# KiCad board SparkFun_GNSS_LG580P_panelized.kicad_pcb (continued)
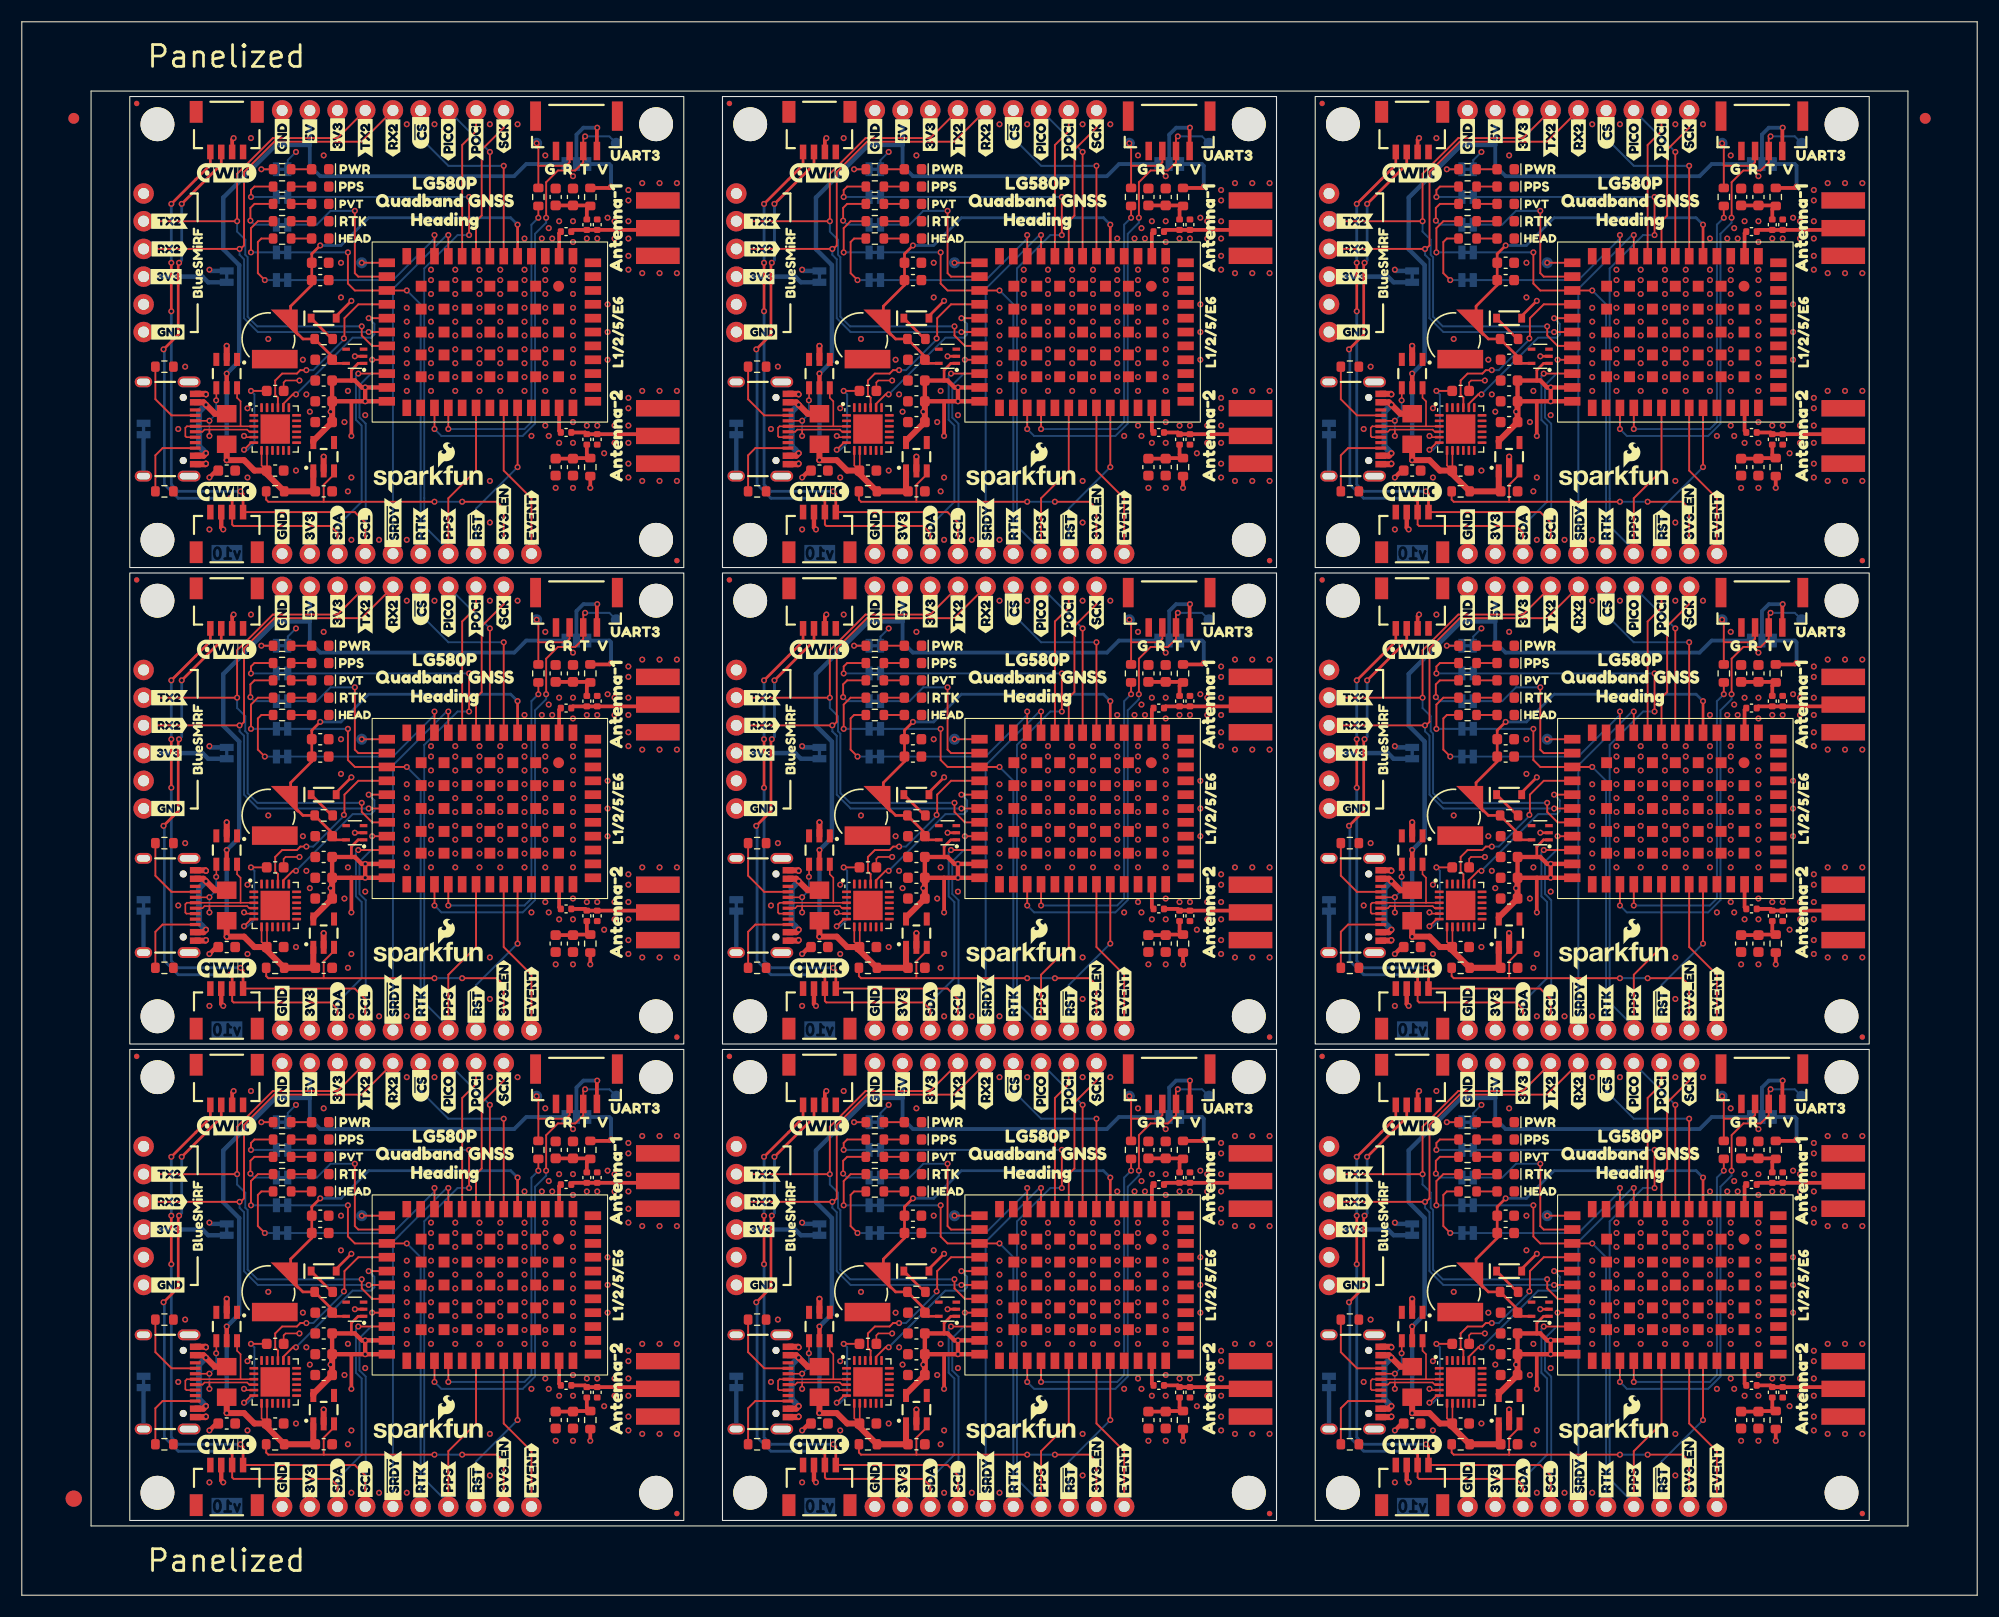
[diagram p0: board, top side]
## Placement (name value [footprint] x y rotation side) (continued)
kibuzzard-6797D214#6  G***  [kibuzzard-6797D214]  39.11 89.74 270 bottom
kibuzzard-6797D214#7  G***  [kibuzzard-6797D214]  39.11 133.42 270 bottom
kibuzzard-6797D214#8  G***  [kibuzzard-6797D214]  147.8 133.42 270 bottom
kibuzzard-6797D214#9  G***  [kibuzzard-6797D214]  39.11 46.06 270 bottom
kibuzzard-6797D229  G***  [kibuzzard-6797D229]  44.19 46.54 270 bottom
kibuzzard-6797D229#2  G***  [kibuzzard-6797D229]  44.19 133.9 270 bottom
kibuzzard-6797D229#3  G***  [kibuzzard-6797D229]  98.54 133.9 270 bottom
kibuzzard-6797D229#4  G***  [kibuzzard-6797D229]  98.54 90.22 270 bottom
kibuzzard-6797D229#5  G***  [kibuzzard-6797D229]  152.88 46.54 270 bottom
kibuzzard-6797D229#6  G***  [kibuzzard-6797D229]  98.54 46.54 270 bottom
kibuzzard-6797D229#7  G***  [kibuzzard-6797D229]  44.19 90.22 270 bottom
kibuzzard-6797D229#8  G***  [kibuzzard-6797D229]  152.88 90.22 270 bottom
kibuzzard-6797D229#9  G***  [kibuzzard-6797D229]  152.88 133.9 270 bottom
kibuzzard-6797D243  G***  [kibuzzard-6797D243]  150.34 46.06 90 top
kibuzzard-6797D243#2  G***  [kibuzzard-6797D243]  41.65 133.42 90 top
kibuzzard-6797D243#3  G***  [kibuzzard-6797D243]  96 46.06 90 top
kibuzzard-6797D243#4  G***  [kibuzzard-6797D243]  96 89.74 90 top
kibuzzard-6797D243#5  G***  [kibuzzard-6797D243]  96 133.42 90 top
kibuzzard-6797D243#6  G***  [kibuzzard-6797D243]  150.34 89.74 90 top
kibuzzard-6797D243#7  G***  [kibuzzard-6797D243]  41.65 89.74 90 top
kibuzzard-6797D243#8  G***  [kibuzzard-6797D243]  150.34 133.42 90 top
kibuzzard-6797D243#9  G***  [kibuzzard-6797D243]  41.65 46.06 90 top
kibuzzard-6797EDFE  G***  [kibuzzard-6797EDFE]  31.17 79.74 180 bottom
kibuzzard-6797EDFE#2  G***  [kibuzzard-6797EDFE]  31.17 123.42 180 bottom
kibuzzard-6797EDFE#3  G***  [kibuzzard-6797EDFE]  85.52 79.74 180 bottom
kibuzzard-6797EDFE#4  G***  [kibuzzard-6797EDFE]  139.87 79.74 180 bottom
kibuzzard-6797EDFE#5  G***  [kibuzzard-6797EDFE]  85.52 123.42 180 bottom
kibuzzard-6797EDFE#6  G***  [kibuzzard-6797EDFE]  139.87 36.06 180 bottom
kibuzzard-6797EDFE#7  G***  [kibuzzard-6797EDFE]  139.87 123.42 180 bottom
kibuzzard-6797EDFE#8  G***  [kibuzzard-6797EDFE]  85.52 36.06 180 bottom
kibuzzard-6797EDFE#9  G***  [kibuzzard-6797EDFE]  31.17 36.06 180 bottom
kibuzzard-6797F4C5  G***  [kibuzzard-6797F4C5]  37.52 25.27 180 bottom
kibuzzard-6797F4C5#2  G***  [kibuzzard-6797F4C5]  91.87 25.27 180 bottom
kibuzzard-6797F4C5#3  G***  [kibuzzard-6797F4C5]  91.87 68.94 180 bottom
kibuzzard-6797F4C5#4  G***  [kibuzzard-6797F4C5]  146.22 25.27 180 bottom
kibuzzard-6797F4C5#5  G***  [kibuzzard-6797F4C5]  146.22 112.62 180 bottom
kibuzzard-6797F4C5#6  G***  [kibuzzard-6797F4C5]  146.22 68.94 180 bottom
kibuzzard-6797F4C5#7  G***  [kibuzzard-6797F4C5]  37.52 68.94 180 bottom
kibuzzard-6797F4C5#8  G***  [kibuzzard-6797F4C5]  37.52 112.62 180 bottom
kibuzzard-6797F4C5#9  G***  [kibuzzard-6797F4C5]  91.87 112.62 180 bottom
kibuzzard-6797F4CD  G***  [kibuzzard-6797F4CD]  37.2 109.45 180 bottom
kibuzzard-6797F4CD#2  G***  [kibuzzard-6797F4CD]  91.55 109.45 180 bottom
kibuzzard-6797F4CD#3  G***  [kibuzzard-6797F4CD]  37.2 65.77 180 bottom
kibuzzard-6797F4CD#4  G***  [kibuzzard-6797F4CD]  91.55 22.09 180 bottom
kibuzzard-6797F4CD#5  G***  [kibuzzard-6797F4CD]  91.55 65.77 180 bottom
kibuzzard-6797F4CD#6  G***  [kibuzzard-6797F4CD]  145.9 109.45 180 bottom
kibuzzard-6797F4CD#7  G***  [kibuzzard-6797F4CD]  145.9 65.77 180 bottom
kibuzzard-6797F4CD#8  G***  [kibuzzard-6797F4CD]  145.9 22.09 180 bottom
kibuzzard-6797F4CD#9  G***  [kibuzzard-6797F4CD]  37.2 22.09 180 bottom
L1  68nH  [C_0402_1005Metric]  51.81 38.28 270 top
L1#2  68nH  [C_0402_1005Metric]  51.81 125.64 270 top
L1#3  68nH  [C_0402_1005Metric]  51.81 81.96 270 top
L1#4  68nH  [C_0402_1005Metric]  106.16 81.96 270 top
L1#5  68nH  [C_0402_1005Metric]  106.16 125.64 270 top
L1#6  68nH  [C_0402_1005Metric]  160.5 38.28 270 top
L1#7  68nH  [C_0402_1005Metric]  106.16 38.28 270 top
L1#8  68nH  [C_0402_1005Metric]  160.5 81.96 270 top
L1#9  68nH  [C_0402_1005Metric]  160.5 125.64 270 top
L2  68nH  [C_0402_1005Metric]  51.81 105.96 90 top
L2#2  68nH  [C_0402_1005Metric]  106.16 62.28 90 top
L2#3  68nH  [C_0402_1005Metric]  51.81 62.28 90 top
L2#4  68nH  [C_0402_1005Metric]  106.16 18.6 90 top
L2#5  68nH  [C_0402_1005Metric]  160.5 18.6 90 top
L2#6  68nH  [C_0402_1005Metric]  160.5 62.28 90 top
L2#7  68nH  [C_0402_1005Metric]  160.5 105.96 90 top
L2#8  68nH  [C_0402_1005Metric]  106.16 105.96 90 top
L2#9  68nH  [C_0402_1005Metric]  51.81 18.6 90 top
NOREF  -  [Fiducial_1.5mm_Mask3mm]  4.76 8.85 0 top
NOREF#2  -  [Fiducial_1mm_Mask3mm]  174.53 135.39 0 top
NOREF#3  -  [Fiducial_1mm_Mask3mm]  4.76 135.39 0 top
NOREF#4  -  [Fiducial_1mm_Mask3mm]  4.76 135.39 0 bottom
NOREF#5  -  [Fiducial_1.5mm_Mask3mm]  4.76 8.85 0 bottom
NOREF#6  -  [Fiducial_1mm_Mask3mm]  174.53 135.39 0 bottom
R1  5.1k  [R_0603_1608Metric]  67.42 101.2 180 top
R1#2  5.1k  [R_0603_1608Metric]  13.07 57.52 180 top
R1#3  5.1k  [R_0603_1608Metric]  67.42 13.84 180 top
R1#4  5.1k  [R_0603_1608Metric]  67.42 57.52 180 top
R1#5  5.1k  [R_0603_1608Metric]  13.07 101.2 180 top
R1#6  5.1k  [R_0603_1608Metric]  121.77 57.52 180 top
R1#7  5.1k  [R_0603_1608Metric]  121.77 13.84 180 top
R1#8  5.1k  [R_0603_1608Metric]  121.77 101.2 180 top
R1#9  5.1k  [R_0603_1608Metric]  13.07 13.84 180 top
R2  5.1k  [R_0603_1608Metric]  13.07 68.94 180 top
R2#2  5.1k  [R_0603_1608Metric]  13.07 112.62 180 top
R2#3  5.1k  [R_0603_1608Metric]  67.42 112.62 180 top
R2#4  5.1k  [R_0603_1608Metric]  121.77 25.27 180 top
R2#5  5.1k  [R_0603_1608Metric]  67.42 25.27 180 top
R2#6  5.1k  [R_0603_1608Metric]  67.42 68.94 180 top
R2#7  5.1k  [R_0603_1608Metric]  121.77 112.62 180 top
R2#8  5.1k  [R_0603_1608Metric]  121.77 68.94 180 top
R2#9  5.1k  [R_0603_1608Metric]  13.07 25.27 180 top
R3  1k  [R_0603_1608Metric]  132.56 82.28 180 top
R3#2  1k  [R_0603_1608Metric]  23.87 125.96 180 top
R3#3  1k  [R_0603_1608Metric]  78.22 82.28 180 top
R3#4  1k  [R_0603_1608Metric]  132.56 125.96 180 top
R3#5  1k  [R_0603_1608Metric]  78.22 38.6 180 top
R3#6  1k  [R_0603_1608Metric]  23.87 82.28 180 top
R3#7  1k  [R_0603_1608Metric]  132.56 38.6 180 top
R3#8  1k  [R_0603_1608Metric]  78.22 125.96 180 top
R3#9  1k  [R_0603_1608Metric]  23.87 38.6 180 top
R4  4.7k  [R_0603_1608Metric]  78.22 87.04 180 top
R4#2  4.7k  [R_0603_1608Metric]  23.87 87.04 180 top
R4#3  4.7k  [R_0603_1608Metric]  23.87 130.72 180 top
R4#4  4.7k  [R_0603_1608Metric]  78.22 43.36 180 top
R4#5  4.7k  [R_0603_1608Metric]  78.22 130.72 180 top
R4#6  4.7k  [R_0603_1608Metric]  132.56 43.36 180 top
R4#7  4.7k  [R_0603_1608Metric]  132.56 130.72 180 top
R4#8  4.7k  [R_0603_1608Metric]  132.56 87.04 180 top
R4#9  4.7k  [R_0603_1608Metric]  23.87 43.36 180 top
R5  2.2k  [R_0603_1608Metric]  23.87 85.46 180 top
R5#2  2.2k  [R_0603_1608Metric]  78.22 129.13 180 top
R5#3  2.2k  [R_0603_1608Metric]  132.56 41.78 180 top
R5#4  2.2k  [R_0603_1608Metric]  78.22 85.46 180 top
R5#5  2.2k  [R_0603_1608Metric]  23.87 129.13 180 top
R5#6  2.2k  [R_0603_1608Metric]  78.22 41.78 180 top
R5#7  2.2k  [R_0603_1608Metric]  132.56 129.13 180 top
R5#8  2.2k  [R_0603_1608Metric]  132.56 85.46 180 top
R5#9  2.2k  [R_0603_1608Metric]  23.87 41.78 180 top
R6  10  [R_0603_1608Metric]  52.13 40.82 90 top
R6#2  10  [R_0603_1608Metric]  160.82 128.18 90 top
R6#3  10  [R_0603_1608Metric]  52.13 84.5 90 top
R6#4  10  [R_0603_1608Metric]  106.47 40.82 90 top
R6#5  10  [R_0603_1608Metric]  52.13 128.18 90 top
R6#6  10  [R_0603_1608Metric]  160.82 40.82 90 top
R6#7  10  [R_0603_1608Metric]  160.82 84.5 90 top
R6#8  10  [R_0603_1608Metric]  106.47 84.5 90 top
R6#9  10  [R_0603_1608Metric]  106.47 128.18 90 top
R7  1k  [R_0603_1608Metric]  27.68 27.81 0 top
R7#2  1k  [R_0603_1608Metric]  27.68 115.17 0 top
R7#3  1k  [R_0603_1608Metric]  82.03 27.81 0 top
R7#4  1k  [R_0603_1608Metric]  82.03 71.48 0 top
R7#5  1k  [R_0603_1608Metric]  136.37 27.81 0 top
R7#6  1k  [R_0603_1608Metric]  136.37 71.48 0 top
R7#7  1k  [R_0603_1608Metric]  82.03 115.17 0 top
R7#8  1k  [R_0603_1608Metric]  136.37 115.17 0 top
R7#9  1k  [R_0603_1608Metric]  27.68 71.48 0 top
R8  1k  [R_0603_1608Metric]  101.71 84.5 270 top
R8#2  1k  [R_0603_1608Metric]  47.36 128.18 270 top
R8#3  1k  [R_0603_1608Metric]  47.36 84.5 270 top
R8#4  1k  [R_0603_1608Metric]  156.06 128.18 270 top
R8#5  1k  [R_0603_1608Metric]  101.71 40.82 270 top
R8#6  1k  [R_0603_1608Metric]  101.71 128.18 270 top
R8#7  1k  [R_0603_1608Metric]  156.06 40.82 270 top
R8#8  1k  [R_0603_1608Metric]  156.06 84.5 270 top
R8#9  1k  [R_0603_1608Metric]  47.36 40.82 270 top
R9  100k  [R_0603_1608Metric]  23.23 13.84 0 top
R9#2  100k  [R_0603_1608Metric]  23.23 101.2 0 top
R9#3  100k  [R_0603_1608Metric]  77.58 57.52 0 top
R9#4  100k  [R_0603_1608Metric]  23.23 57.52 0 top
R9#5  100k  [R_0603_1608Metric]  77.58 13.84 0 top
R9#6  100k  [R_0603_1608Metric]  131.93 13.84 0 top
R9#7  100k  [R_0603_1608Metric]  131.93 57.52 0 top
R9#8  100k  [R_0603_1608Metric]  131.93 101.2 0 top
R9#9  100k  [R_0603_1608Metric]  77.58 101.2 0 top
R10  330  [R_0603_1608Metric]  78.22 80.69 180 top
R10#2  330  [R_0603_1608Metric]  23.87 80.69 180 top
R10#3  330  [R_0603_1608Metric]  23.87 124.37 180 top
R10#4  330  [R_0603_1608Metric]  78.22 37.01 180 top
R10#5  330  [R_0603_1608Metric]  132.56 37.01 180 top
R10#6  330  [R_0603_1608Metric]  132.56 80.69 180 top
R10#7  330  [R_0603_1608Metric]  78.22 124.37 180 top
R10#8  330  [R_0603_1608Metric]  132.56 124.37 180 top
R10#9  330  [R_0603_1608Metric]  23.87 37.01 180 top
R11  2.2k  [R_0603_1608Metric]  78.22 40.19 180 top
R11#2  2.2k  [R_0603_1608Metric]  23.87 127.55 180 top
R11#3  2.2k  [R_0603_1608Metric]  23.87 83.87 180 top
R11#4  2.2k  [R_0603_1608Metric]  132.56 40.19 180 top
R11#5  2.2k  [R_0603_1608Metric]  78.22 83.87 180 top
R11#6  2.2k  [R_0603_1608Metric]  78.22 127.55 180 top
R11#7  2.2k  [R_0603_1608Metric]  132.56 83.87 180 top
R11#8  2.2k  [R_0603_1608Metric]  132.56 127.55 180 top
R11#9  2.2k  [R_0603_1608Metric]  23.87 40.19 180 top
R12  10  [R_0603_1608Metric]  52.13 103.42 270 top
R12#2  10  [R_0603_1608Metric]  160.82 16.06 270 top
R12#3  10  [R_0603_1608Metric]  106.47 59.74 270 top
R12#4  10  [R_0603_1608Metric]  106.47 103.42 270 top
R12#5  10  [R_0603_1608Metric]  52.13 59.74 270 top
R12#6  10  [R_0603_1608Metric]  106.47 16.06 270 top
R12#7  10  [R_0603_1608Metric]  160.82 59.74 270 top
R12#8  10  [R_0603_1608Metric]  160.82 103.42 270 top
R12#9  10  [R_0603_1608Metric]  52.13 16.06 270 top
Ref**  Val**  [OSHW_Logo_4mm]  18.79 134.3 180 bottom
Ref**#2  Val**  [OSHW_Logo_4mm]  73.14 134.3 180 bottom
Ref**#3  Val**  [OSHW_Logo_4mm]  18.79 90.62 180 bottom
Ref**#4  Val**  [OSHW_Logo_4mm]  127.48 90.62 180 bottom
Ref**#5  Val**  [OSHW_Logo_4mm]  127.48 134.3 180 bottom
Ref**#6  Val**  [OSHW_Logo_4mm]  73.14 46.94 180 bottom
Ref**#7  Val**  [OSHW_Logo_4mm]  73.14 90.62 180 bottom
Ref**#8  Val**  [OSHW_Logo_4mm]  127.48 46.94 180 bottom
Ref**#9  Val**  [OSHW_Logo_4mm]  18.79 46.94 180 bottom
ST1  -  [Standoff]  58.16 91.17 0 top
ST1#2  -  [Standoff]  112.51 91.17 0 top
ST1#3  -  [Standoff]  58.16 134.85 0 top
ST1#4  -  [Standoff]  112.51 47.49 0 top
ST1#5  -  [Standoff]  166.85 134.85 0 top
ST1#6  -  [Standoff]  112.51 134.85 0 top
ST1#7  -  [Standoff]  166.85 91.17 0 top
ST1#8  -  [Standoff]  166.85 47.49 0 top
ST1#9  -  [Standoff]  58.16 47.49 0 top
ST2  -  [Standoff]  58.16 96.75 0 top
ST2#2  -  [Standoff]  112.51 53.07 0 top
ST2#3  -  [Standoff]  166.85 9.39 0 top
ST2#4  -  [Standoff]  166.85 96.75 0 top
ST2#5  -  [Standoff]  58.16 53.07 0 top
ST2#6  -  [Standoff]  166.85 53.07 0 top
ST2#7  -  [Standoff]  112.51 9.39 0 top
ST2#8  -  [Standoff]  112.51 96.75 0 top
ST2#9  -  [Standoff]  58.16 9.39 0 top
ST3  -  [Standoff]  12.44 47.49 0 top
ST3#2  -  [Standoff]  66.79 91.17 0 top
ST3#3  -  [Standoff]  12.44 91.17 0 top
ST3#4  -  [Standoff]  121.13 91.17 0 top
ST3#5  -  [Standoff]  12.44 134.85 0 top
ST3#6  -  [Standoff]  66.79 47.49 0 top
ST3#7  -  [Standoff]  66.79 134.85 0 top
ST3#8  -  [Standoff]  121.13 47.49 0 top
ST3#9  -  [Standoff]  121.13 134.85 0 top
ST4  -  [Standoff]  12.44 9.39 0 top
ST4#2  -  [Standoff]  12.44 53.07 0 top
ST4#3  -  [Standoff]  121.13 9.39 0 top
ST4#4  -  [Standoff]  66.79 9.39 0 top
ST4#5  -  [Standoff]  12.44 96.75 0 top
ST4#6  -  [Standoff]  66.79 96.75 0 top
ST4#7  -  [Standoff]  66.79 53.07 0 top
ST4#8  -  [Standoff]  121.13 96.75 0 top
ST4#9  -  [Standoff]  121.13 53.07 0 top
TP1  1.0mm  [TestPoint-1.0mm]  31.17 78.47 180 bottom
TP1#2  1.0mm  [TestPoint-1.0mm]  139.87 34.79 180 bottom
TP1#3  1.0mm  [TestPoint-1.0mm]  139.87 78.47 180 bottom
TP1#4  1.0mm  [TestPoint-1.0mm]  85.52 34.79 180 bottom
TP1#5  1.0mm  [TestPoint-1.0mm]  31.17 122.15 180 bottom
TP1#6  1.0mm  [TestPoint-1.0mm]  85.52 78.47 180 bottom
TP1#7  1.0mm  [TestPoint-1.0mm]  85.52 122.15 180 bottom
TP1#8  1.0mm  [TestPoint-1.0mm]  139.87 122.15 180 bottom
TP1#9  1.0mm  [TestPoint-1.0mm]  31.17 34.79 180 bottom
TP2  1.0mm  [TestPoint-1.0mm]  47.2 89.42 180 bottom
TP2#2  1.0mm  [TestPoint-1.0mm]  101.55 89.42 180 bottom
TP2#3  1.0mm  [TestPoint-1.0mm]  47.2 133.1 180 bottom
TP2#4  1.0mm  [TestPoint-1.0mm]  101.55 133.1 180 bottom
TP2#5  1.0mm  [TestPoint-1.0mm]  101.55 45.74 180 bottom
TP2#6  1.0mm  [TestPoint-1.0mm]  155.9 45.74 180 bottom
TP2#7  1.0mm  [TestPoint-1.0mm]  155.9 89.42 180 bottom
TP2#8  1.0mm  [TestPoint-1.0mm]  155.9 133.1 180 bottom
TP2#9  1.0mm  [TestPoint-1.0mm]  47.2 45.74 180 bottom
TP3  1.0mm  [TestPoint-1.0mm]  108.85 89.42 90 bottom
TP3#2  1.0mm  [TestPoint-1.0mm]  54.51 89.42 90 bottom
TP3#3  1.0mm  [TestPoint-1.0mm]  54.51 133.1 90 bottom
TP3#4  1.0mm  [TestPoint-1.0mm]  108.85 45.74 90 bottom
TP3#5  1.0mm  [TestPoint-1.0mm]  163.2 133.1 90 bottom
TP3#6  1.0mm  [TestPoint-1.0mm]  108.85 133.1 90 bottom
TP3#7  1.0mm  [TestPoint-1.0mm]  163.2 89.42 90 bottom
TP3#8  1.0mm  [TestPoint-1.0mm]  163.2 45.74 90 bottom
TP3#9  1.0mm  [TestPoint-1.0mm]  54.51 45.74 90 bottom
U1  DT1042-04SO  [SOT23-6]  18.79 111.99 270 top
U1#2  DT1042-04SO  [SOT23-6]  18.79 68.31 270 top
U1#3  DT1042-04SO  [SOT23-6]  127.48 68.31 270 top
U1#4  DT1042-04SO  [SOT23-6]  127.48 111.99 270 top
U1#5  DT1042-04SO  [SOT23-6]  73.14 24.63 270 top
U1#6  DT1042-04SO  [SOT23-6]  73.14 68.31 270 top
U1#7  DT1042-04SO  [SOT23-6]  73.14 111.99 270 top
U1#8  DT1042-04SO  [SOT23-6]  127.48 24.63 270 top
U1#9  DT1042-04SO  [SOT23-6]  18.79 24.63 270 top
U2  RT9080-3.3  [SOT23-5]  82.03 104.37 90 top
U2#2  RT9080-3.3  [SOT23-5]  27.68 104.37 90 top
U2#3  RT9080-3.3  [SOT23-5]  136.37 17.01 90 top
U2#4  RT9080-3.3  [SOT23-5]  27.68 60.69 90 top
U2#5  RT9080-3.3  [SOT23-5]  82.03 60.69 90 top
U2#6  RT9080-3.3  [SOT23-5]  82.03 17.01 90 top
U2#7  RT9080-3.3  [SOT23-5]  136.37 104.37 90 top
U2#8  RT9080-3.3  [SOT23-5]  136.37 60.69 90 top
U2#9  RT9080-3.3  [SOT23-5]  27.68 17.01 90 top
U3  LG580P  [Quectel_LG580P]  97.27 28.44 270 top
U3#2  LG580P  [Quectel_LG580P]  151.61 115.8 270 top
U3#3  LG580P  [Quectel_LG580P]  42.92 115.8 270 top
U3#4  LG580P  [Quectel_LG580P]  42.92 72.12 270 top
U3#5  LG580P  [Quectel_LG580P]  97.27 72.12 270 top
U3#6  LG580P  [Quectel_LG580P]  151.61 72.12 270 top
U3#7  LG580P  [Quectel_LG580P]  97.27 115.8 270 top
U3#8  LG580P  [Quectel_LG580P]  151.61 28.44 270 top
U3#9  LG580P  [Quectel_LG580P]  42.92 28.44 270 top
U4  CH342F  [QFN-24-1EP_4x4mm_P0.5mm_EP2.7x2.7mm]  77.58 19.55 0 top
U4#2  CH342F  [QFN-24-1EP_4x4mm_P0.5mm_EP2.7x2.7mm]  23.23 63.23 0 top
U4#3  CH342F  [QFN-24-1EP_4x4mm_P0.5mm_EP2.7x2.7mm]  77.58 106.91 0 top
U4#4  CH342F  [QFN-24-1EP_4x4mm_P0.5mm_EP2.7x2.7mm]  23.23 106.91 0 top
U4#5  CH342F  [QFN-24-1EP_4x4mm_P0.5mm_EP2.7x2.7mm]  77.58 63.23 0 top
U4#6  CH342F  [QFN-24-1EP_4x4mm_P0.5mm_EP2.7x2.7mm]  131.93 63.23 0 top
U4#7  CH342F  [QFN-24-1EP_4x4mm_P0.5mm_EP2.7x2.7mm]  131.93 19.55 0 top
U4#8  CH342F  [QFN-24-1EP_4x4mm_P0.5mm_EP2.7x2.7mm]  131.93 106.91 0 top
U4#9  CH342F  [QFN-24-1EP_4x4mm_P0.5mm_EP2.7x2.7mm]  23.23 19.55 0 top

## Library data of the parts
BT1 BT1#2-BT1#9 = -: Description: Reflowable coin cell battery; PROD_ID: BATT-14267
C1 C3 C5#9 = -: Datasheet: https://cdn.sparkfun.com/assets/8/a/4/a/5/Kemet_Capacitor_Datasheet.pdf; Description: Unpolarized capacitor; PROD_ID: CAP-00810; Tolerance: 20%; Voltage: 25V; ki_fp_filters: C_*
C1#2-C1#9 C3#2-C3#9 C5 C5#2-C5#8 = -: Datasheet: https://cdn.sparkfun.com/assets/8/a/4/a/5/Kemet_Capacitor_Datasheet.pdf; Description: Unpolarized capacitor; PROD_ID: CAP-00810; Tolerance: 20%; Voltage: 25V
C2 C2#2-C2#8 = -: Datasheet: https://cdn.sparkfun.com/assets/8/a/4/a/5/Kemet_Capacitor_Datasheet.pdf; Description: Unpolarized capacitor; PROD_ID: CAP-11015; Tolerance: 20%; Voltage: 6.3V
C2#9 = -: Datasheet: https://cdn.sparkfun.com/assets/8/a/4/a/5/Kemet_Capacitor_Datasheet.pdf; Description: Unpolarized capacitor; PROD_ID: CAP-11015; Tolerance: 20%; Voltage: 6.3V; ki_fp_filters: C_*
C4 C4#2-C4#8 = -: Datasheet: https://cdn.sparkfun.com/assets/8/a/4/a/5/Kemet_Capacitor_Datasheet.pdf; Description: Unpolarized capacitor; PROD_ID: CAP-07883; Tolerance: 10%; Voltage: 50V
C4#9 = -: Datasheet: https://cdn.sparkfun.com/assets/8/a/4/a/5/Kemet_Capacitor_Datasheet.pdf; Description: Unpolarized capacitor; PROD_ID: CAP-07883; Tolerance: 10%; Voltage: 50V; ki_fp_filters: C_*
C6 C6#2-C6#8 = -: Datasheet: https://cdn.sparkfun.com/assets/8/a/4/a/5/Kemet_Capacitor_Datasheet.pdf; Description: Unpolarized capacitor; PROD_ID: CAP-13458; Tolerance: 10%; Voltage: 50V
C6#9 = -: Datasheet: https://cdn.sparkfun.com/assets/8/a/4/a/5/Kemet_Capacitor_Datasheet.pdf; Description: Unpolarized capacitor; PROD_ID: CAP-13458; Tolerance: 10%; Voltage: 50V; ki_fp_filters: C_*
C7 C7#2-C7#8 = -: Datasheet: https://cdn.sparkfun.com/assets/8/a/4/a/5/Kemet_Capacitor_Datasheet.pdf; Description: Unpolarized capacitor; PROD_ID: CAP-13930; Voltage: 16V; Tolerance: 10%
C7#9 = -: Datasheet: https://cdn.sparkfun.com/assets/8/a/4/a/5/Kemet_Capacitor_Datasheet.pdf; Description: Unpolarized capacitor; PROD_ID: CAP-13930; Voltage: 16V; Tolerance: 10%; ki_fp_filters: C_*
C8 C8#2-C8#8 = -: Datasheet: https://cdn.sparkfun.com/assets/8/a/4/a/5/Kemet_Capacitor_Datasheet.pdf; Description: Unpolarized capacitor; PROD_ID: CAP-10142; Tolerance: 5%; Voltage: 50V
C8#9 = -: Datasheet: https://cdn.sparkfun.com/assets/8/a/4/a/5/Kemet_Capacitor_Datasheet.pdf; Description: Unpolarized capacitor; PROD_ID: CAP-10142; Tolerance: 5%; Voltage: 50V; ki_fp_filters: C_*
C9 C9#2-C9#8 = -: Datasheet: https://cdn.sparkfun.com/assets/8/a/4/a/5/Kemet_Capacitor_Datasheet.pdf; Description: Unpolarized capacitor; PROD_ID: CAP-14106; Voltage: 35V; Tolerance: 20%
C9#9 = -: Datasheet: https://cdn.sparkfun.com/assets/8/a/4/a/5/Kemet_Capacitor_Datasheet.pdf; Description: Unpolarized capacitor; PROD_ID: CAP-14106; Voltage: 35V; Tolerance: 20%; ki_fp_filters: C_*
C10 C10#2-C10#8 C11 C11#2-C11#8 C14 C14#2-C14#8 = -: Datasheet: https://cdn.sparkfun.com/assets/8/a/4/a/5/Kemet_Capacitor_Datasheet.pdf; Description: Unpolarized capacitor; PROD_ID: CAP-00810; Voltage: 25V; Tolerance: 20%
C10#9 C11#9 C14#9 = -: Datasheet: https://cdn.sparkfun.com/assets/8/a/4/a/5/Kemet_Capacitor_Datasheet.pdf; Description: Unpolarized capacitor; PROD_ID: CAP-00810; Voltage: 25V; Tolerance: 20%; ki_fp_filters: C_*
C12 C12#2-C12#8 = -: Datasheet: https://cdn.sparkfun.com/assets/8/a/4/a/5/Kemet_Capacitor_Datasheet.pdf; Description: Unpolarized capacitor; PROD_ID: CAP-10142; Voltage: 50V; Tolerance: 5%
C12#9 = -: Datasheet: https://cdn.sparkfun.com/assets/8/a/4/a/5/Kemet_Capacitor_Datasheet.pdf; Description: Unpolarized capacitor; PROD_ID: CAP-10142; Voltage: 50V; Tolerance: 5%; ki_fp_filters: C_*
C13 = -: Datasheet: https://cdn.sparkfun.com/assets/8/a/4/a/5/Kemet_Capacitor_Datasheet.pdf; Description: Unpolarized capacitor; PROD_ID: CAP-13930; Tolerance: 10%; Voltage: 16V; ki_fp_filters: C_*
C13#2-C13#9 = -: Datasheet: https://cdn.sparkfun.com/assets/8/a/4/a/5/Kemet_Capacitor_Datasheet.pdf; Description: Unpolarized capacitor; PROD_ID: CAP-13930; Tolerance: 10%; Voltage: 16V
C15 C15#2-C15#8 = -: Datasheet: https://cdn.sparkfun.com/assets/8/a/4/a/5/Kemet_Capacitor_Datasheet.pdf; Description: Unpolarized capacitor; PROD_ID: CAP-07883; Voltage: 50V; Tolerance: 10%
C15#9 = -: Datasheet: https://cdn.sparkfun.com/assets/8/a/4/a/5/Kemet_Capacitor_Datasheet.pdf; Description: Unpolarized capacitor; PROD_ID: CAP-07883; Voltage: 50V; Tolerance: 10%; ki_fp_filters: C_*
C16 C16#2-C16#8 = -: Datasheet: https://cdn.sparkfun.com/assets/8/a/4/a/5/Kemet_Capacitor_Datasheet.pdf; Description: Unpolarized capacitor; PROD_ID: CAP-13458; Voltage: 50V; Tolerance: 10%
C16#9 = -: Datasheet: https://cdn.sparkfun.com/assets/8/a/4/a/5/Kemet_Capacitor_Datasheet.pdf; Description: Unpolarized capacitor; PROD_ID: CAP-13458; Voltage: 50V; Tolerance: 10%; ki_fp_filters: C_*
D1 D1#2-D1#8 = -: Datasheet: https://docs.broadcom.com/docs/AV02-0551EN; Description: Light emitting diode; PROD_ID: DIO-17976
D1#9 = -: Datasheet: https://docs.broadcom.com/docs/AV02-0551EN; Description: Light emitting diode; PROD_ID: DIO-17976; ki_fp_filters: LED* LED_SMD:* LED_THT:*
D2 D2#2-D2#8 = -: Datasheet: https://www.qt-brightek.com/datasheet/QBLP601_series.pdf; Description: Light emitting diode; PROD_ID: DIO-09004
D2#9 = -: Datasheet: https://www.qt-brightek.com/datasheet/QBLP601_series.pdf; Description: Light emitting diode; PROD_ID: DIO-09004; ki_fp_filters: LED* LED_SMD:* LED_THT:*
D3 D3#2-D3#8 D10 D10#2-D10#8 = -: Datasheet: https://www.littelfuse.com/~/media/electronics/product_specifications/polymer_esd_suppressors/littelfuse_polymer_esd_suppressor_pesd0402_140_product_specification.pdf.pdf; Description: Bidirectional transient-voltage-suppression diode; PROD_ID: DIO-15359
D3#9 D10#9 = -: Datasheet: https://www.littelfuse.com/~/media/electronics/product_specifications/polymer_esd_suppressors/littelfuse_polymer_esd_suppressor_pesd0402_140_product_specification.pdf.pdf; Description: Bidirectional transient-voltage-suppression diode; PROD_ID: DIO-15359; ki_fp_filters: TO-???* *_Diode_* *SingleDiode* D_*
D4 D4#2-D4#8 = -: Datasheet: https://www.kingbrightusa.com/images/catalog/SPEC/APT1608SYCK.pdf; Description: Light emitting diode; PROD_ID: DIO-09003
D4#9 = -: Datasheet: https://www.kingbrightusa.com/images/catalog/SPEC/APT1608SYCK.pdf; Description: Light emitting diode; PROD_ID: DIO-09003; ki_fp_filters: LED* LED_SMD:* LED_THT:*
D5 D5#2-D5#8 = -: Datasheet: https://assets.nexperia.com/documents/data-sheet/PMEG4005EJ.pdf; Description: Schottky diode; PROD_ID: DIO-10955; IMax: 0.5A; VDrop: 0.42V; VMax: 40V
D5#9 = -: Datasheet: https://assets.nexperia.com/documents/data-sheet/PMEG4005EJ.pdf; Description: Schottky diode; PROD_ID: DIO-10955; IMax: 0.5A; VDrop: 0.42V; VMax: 40V; ki_fp_filters: TO-???* *_Diode_* *SingleDiode* D_*
D8 D8#2-D8#8 = -: Datasheet: https://docs.broadcom.com/docs/AV02-0551EN; Description: Light emitting diode; PROD_ID: DIO-00821
D8#9 = -: Datasheet: https://docs.broadcom.com/docs/AV02-0551EN; Description: Light emitting diode; PROD_ID: DIO-00821; ki_fp_filters: LED* LED_SMD:* LED_THT:*
D9 = -: Datasheet: https://media.digikey.com/pdf/Data%20Sheets/Rohm%20PDFs/SMLE12_Series_Rev2.0_2007.pdf; Description: Light emitting diode; PROD_ID: DIO-08575; ki_fp_filters: LED* LED_SMD:* LED_THT:*
D9#2-D9#9 = -: Datasheet: https://media.digikey.com/pdf/Data%20Sheets/Rohm%20PDFs/SMLE12_Series_Rev2.0_2007.pdf; Description: Light emitting diode; PROD_ID: DIO-08575
D11 D11#2-D11#8 = -: Datasheet: https://toshiba.semicon-storage.com/info/DF5A5.6LFU_datasheet_en_20140301.pdf?did=22260&prodName=DF5A5.6LFU; Description: Low capacitance microSD unidirectional quadruple ESD protection diode array, 3.3V, Common Anode, SOT-353; PROD_ID: DIO-20454; Rating: 3.3VWM/12VC
D11#9 = -: Datasheet: https://toshiba.semicon-storage.com/info/DF5A5.6LFU_datasheet_en_20140301.pdf?did=22260&prodName=DF5A5.6LFU; Description: Low capacitance microSD unidirectional quadruple ESD protection diode array, 3.3V, Common Anode, SOT-353; PROD_ID: DIO-20454; Rating: 3.3VWM/12VC; ki_fp_filters: SOT?353*
F1 = -: Datasheet: https://www.littelfuse.com/media?resourcetype=datasheets&itemid=2b6a1515-d4ee-4c83-8bd4-152b4901b8f5&filename=littelfuse_ptc_1206l_datasheet.pdf; Description: Resettable fuse 750mA; PROD_ID: RES-11150; ki_fp_filters: *polyfuse* *PTC*
F1#2-F1#9 = -: Datasheet: https://www.littelfuse.com/media?resourcetype=datasheets&itemid=2b6a1515-d4ee-4c83-8bd4-152b4901b8f5&filename=littelfuse_ptc_1206l_datasheet.pdf; Description: Resettable fuse 750mA; PROD_ID: RES-11150
FID1 FID1#2-FID1#8 FID2 FID2#2-FID2#8 FID3 FID3#2-FID3#8 FID4 FID4#2-FID4#8 = -: Description: Fiducial Marker
FID1#9 FID2#9 FID3#9 FID4#9 = -: Description: Fiducial Marker; ki_fp_filters: Fiducial*
J1 J1#2-J1#8 = -: Datasheet: https://www.usb.org/sites/default/files/documents/usb_type-c.zip; Description: USB 2.0-only Type-C Receptacle connector; PROD_ID: CONN-14122
